# Altium PCB rv_pwr_es.PcbDoc (continued)
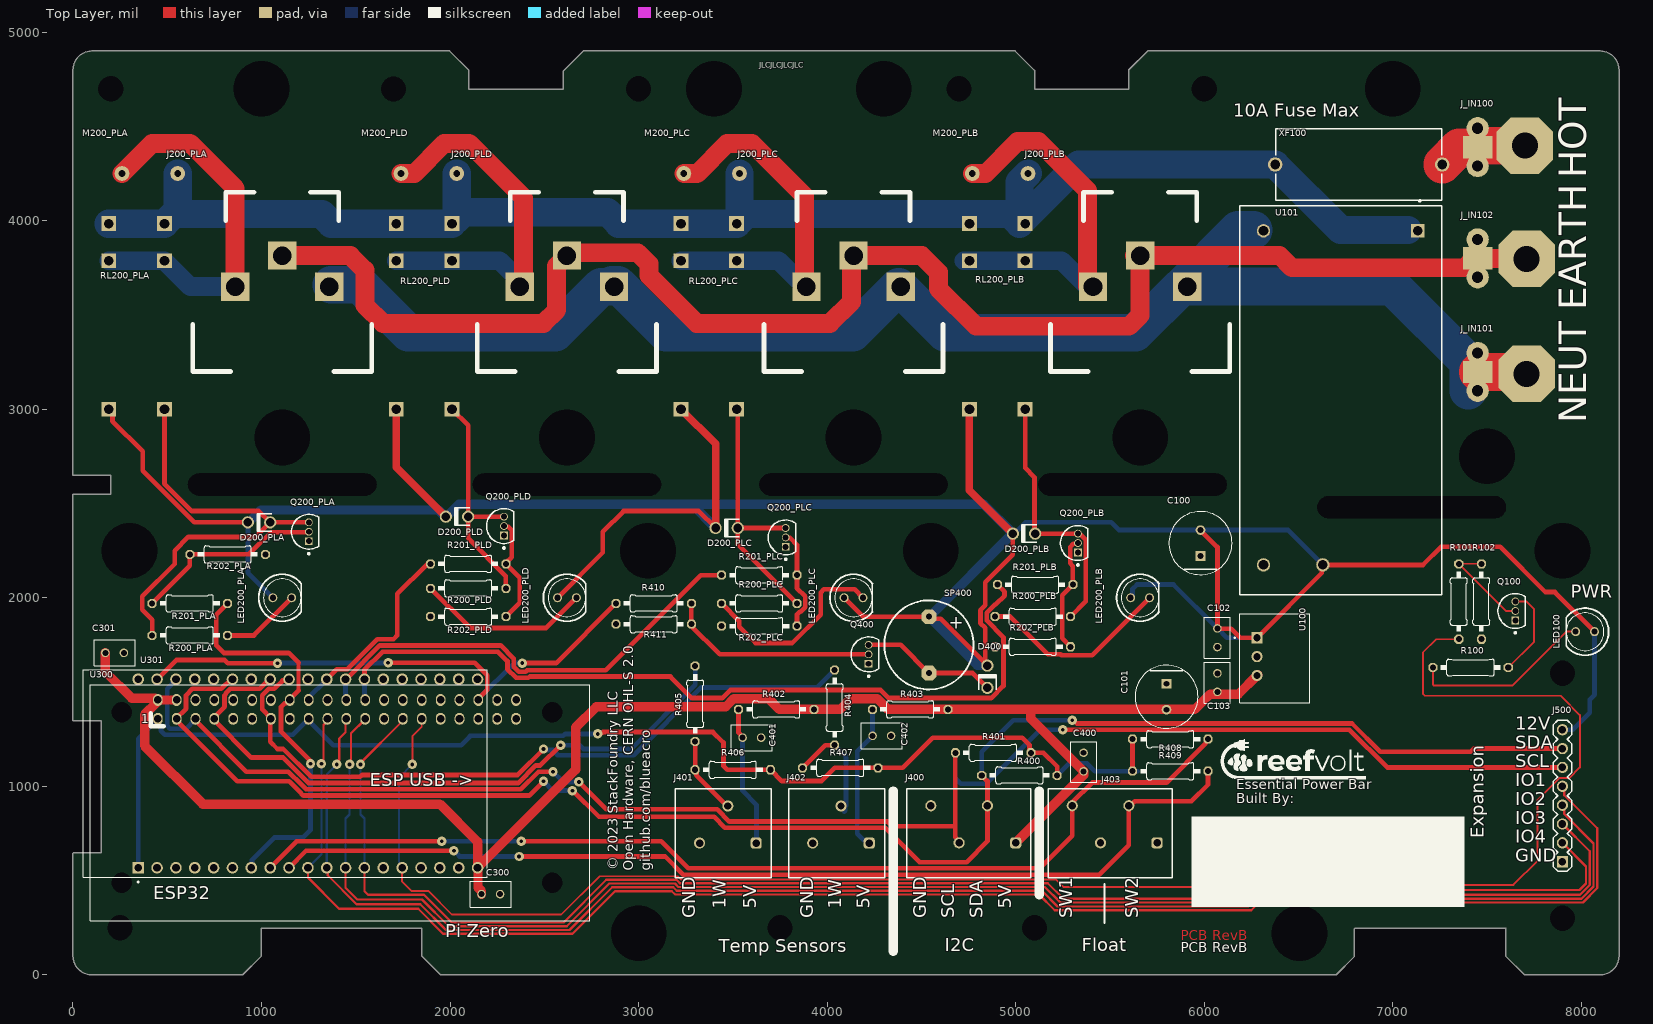
[diagram p0: Top Layer view]
## Footprints (in the part's own frame and the unit in brackets; to place one, negate y for a bottom-side part, rotate by r counter-clockwise, add the part's x,y. Pads: shape width x height; smd on the part's side, far side on the other; paste and mask are expansions set on the pad) (continued)
RPI_ZERO_W [mm]
  oval 1.3x1.6 hole 1.016 paste-0.3 mask+0: 1(-53.14,22.09) 2(-53.14,24.63) 3(-50.6,22.09) 4(-50.6,24.63) 5(-48.06,22.09) 6(-48.06,24.63) 7(-45.52,22.09) 8(-45.52,24.63) 9(-42.98,22.09) 10(-42.98,24.63) 11(-40.44,22.09) 12(-40.44,24.63) 13(-37.9,22.09) 14(-37.9,24.63) 15(-35.36,22.09) 16(-35.36,24.63) 17(-32.82,22.09) 18(-32.82,24.63) 19(-30.28,22.09) 20(-30.28,24.63) 21(-27.74,22.09) 22(-27.74,24.63) 23(-25.2,22.09) 24(-25.2,24.63) 25(-22.66,22.09) 26(-22.66,24.63) 27(-20.12,22.09) 28(-20.12,24.63) 29(-17.58,22.09) 30(-17.58,24.63) 31(-15.04,22.09) 32(-15.04,24.63) 33(-12.5,22.09) 34(-12.5,24.63) 35(-9.96,22.09) 36(-9.96,24.63) 37(-7.42,22.09) 38(-7.42,24.63) 39(-4.88,22.09) 40(-4.88,24.63)
  rect 0x0 hole 2.75 unplated paste-0.3 mask+0: ""(-58,0) ""(-58,23) ""(0,0) ""(0,23)
  silkscreen extent -62.23,-5.08 5.08,26.67, body extent -61.42,-4.89 4.48,26.36, height 16.81
WST-1212UX-Footprint-1 [mm]
  oct 2x2 hole 0.8: +(0,3.8) -(0,-3.8)
  silkscreen extent -6,-6 6,6, body extent -5.98,-6 6,6, height 7.51

## Part data
C100 C101: library part CMP-001-00110-1, "Cap Aluminum 100uF 25V 20% (8 X 11.5mm) Radial 3.5mm 500mA 2000 hr 125°C Bulk", Case/Package=Radial, Dielectric Material=Aluminium, Diameter=8mm
C102 C103 C300 C301 C400 C401 C402: library part CMP-233-000000-3, "FG Series 10 uF 25 V ±10% Tolerance X7R Radial Multilayer Ceramic Capacitor", Case/Package=Radial, Package="Radial TDK", Check_prices=https://www.snapeda.com/parts/FG16X7R1E106KRT06/TDK/view-part/?ref=eda, Component Type=Standard, Design Item ID=FG16X7R1E106KRT06, Digi-Key_Part_Number=445-173156-1-ND, Height - Seated (Max)=0.236inch, Lead Pitch=0.098inch, MF=TDK, MP=FG16X7R1E106KRT06, Pin Count=2, Purchase-URL=https://pricing.snapeda.com/search/part/FG16X7R1E106KRT06/?ref=eda, SnapEDA_Link=https://www.snapeda.com/parts/FG16X7R1E106KRT06/TDK/view-part/?ref=snap, Source=FG16X7R1E106KRT06.SchLib
D200_PLA D200_PLB D200_PLC D200_PLD D400: library part CMP-004-00038-1, "VR=1000V IF=1A 8pF"
J400 J403: library part CMP-002-00091-1, "Tb, Wire To Brd, 4Way, 16Awg Rohs Compliant: Yes", Color=Grey, Current=4A, Contact Plating=Bronze,Tin, Housing Material=Nylon
J401 J402: library part CMP-002-00090-1, "Tb, Wire To Brd, 3Way, 16Awg Rohs Compliant: Yes", Color=Grey, Current=4A, Contact Plating=Bronze,Tin, Housing Material=Nylon
J500: library part CMP-166-0002-1, Design Item ID=M08, Source=con-headers.SCHLIB
J_IN100 J_IN101 J_IN102: "Molex  0197054203", Design Item ID=TAB_QUICKCON, Source=con-molex.SCHLIB
LED100 LED200_PLA LED200_PLB LED200_PLC LED200_PLD: library part LED5MM
M200_PLA M200_PLB M200_PLC M200_PLD: library part CMP-107-0002-1, Design Item ID=GMOV, Source=rcl.SCHLIB
Q100 Q200_PLA Q200_PLB Q200_PLC Q200_PLD Q400: library part CMP-013-00039-2, "Transistor NPN Silicon 40V IC=600ma TO-92 Case General Purpose Amplifier And Switch", Case/Package=TO-92, Collector Base Voltage (VCBO)=60V, Collector Emitter Saturation Voltage=750mV, Collector-emitter Voltage-Max=40V, Package="TO-226-3 Rectron", Availability="In Stock", Component Type=Standard, Design Item ID=2N4401, MF=Rectron, MP=2N4401, Pin Count=3, Price=None, Purchase-URL=https://pricing.snapeda.com/search/part/2N3904/?ref=eda, SnapEDA_Link=https://www.snapeda.com/parts/2N3904/Rectron/view-part/?ref=snap
R100 R200_PLA R200_PLB R200_PLC R200_PLD: library part CMP-009-00215-2, "Res Carbon Film 1K Ohm 5% 1/4W -500ppm/°C to 350ppm/°C Conformal AXL Thru-Hole Paper T/R", Case/Package=Conformal, Construction=Cylindrical, Contact Plating=Tin,Matte, Diameter=2.4mm
R101 R201_PLA R201_PLB R201_PLC R201_PLD R410: library part CMP-009-00217-1, "Res Carbon Film 470 Ohm 5% 1/4W -500ppm/°C to 350ppm/°C Conformal AXL Thru-Hole Paper T/R", Case/Package=Conformal, Construction=Cylindrical, Contact Plating=Tin,Matte, Diameter=2.4mm
R102 R202_PLA R202_PLB R202_PLC R202_PLD R411: library part CMP-009-00220-1, "Res Carbon Film 47K Ohm 5% 1/4W -500ppm/°C to 350ppm/°C Conformal AXL Thru-Hole Paper T/R", Case/Package=Axial, Contact Plating=Tin,Matte, Diameter=2.4mm, Lead Diameter=0.55mm
R400 R401 R406 R407 R408 R409: library part CMP-009-00218-1, "Res Carbon Film 4.7K Ohm 5% 1/4W -500ppm/°C to 350ppm/°C Conformal AXL Thru-Hole Paper T/R", Case/Package=Axial, Contact Plating=Tin,Matte, Diameter=2.4mm, Lead Diameter=0.55mm
R402 R403 R404 R405: library part CMP-009-00219-1, "Res Carbon Film 10 Ohm 5% 1/4W -500ppm/°C to 350ppm/°C Conformal AXL Thru-Hole Paper T/R", Case/Package=Axial, Construction=Cylindrical, Contact Plating=Tin,Matte, Diameter=2.4mm, Lead Diameter=0.55mm
RL200_PLA RL200_PLB RL200_PLC RL200_PLD: library part CMP-103-0002-1, Design Item ID=RelaySPST_DT, Source=relay.SchLib
SP400: library part CMP-00027-00003-3, "Audio Magnetic Xdcr 9-15V Th", Frequency=2.3kHz, Max Operating Temperature=60°C, Min Operating Temperature=-20°C, Mounting Technology="Through Hole"
U100: library part CMP-214-000001-1, "Module DC-DC 24VIN 1-OUT 5V 2A 10W 3-Pin SIP Module Tube", Max Operating Temperature=85°C, Max Output current=2A, Max Supply Voltage=36V, Efficiency=90%
U101: library part CMP-2000-07460-1, "Single Output Encapsulated Type, 12 V, 1.8 A, 21.6 W, -40 to 85 degC, 4-Pin THD, RoHS", Current - Output 1=1.8A, Manufacturer="Mean Well", Max Operating Temperature=70degC, Max Output Power=21.6W, Min Operating Temperature=-30degC, Package Description="4-Pin Through Hole Device, Body 52.4 x 27.2 mm, Height 24 mm", Package Quantity=240, Package Reference=IRM-20-12-4, Voltage - Output 1=12V, Approvals=CB, Datasheet URL=http://datasheet.octopart.com/IRM-20-12-Mean-Well-datasheet-42021592.pdf, Datasheet Version=06/2015, Efficiency=84%, Height=24mm, Lead Free=LeadFree, Length=53mm, Manufacturer URL=http://www.meanwellusa.com/, Mount=ThroughHole, Mounting Technology=ThroughHole, Number of Outputs=1, Number of Pins=4, Output Current=1.8A, Output Power=21.6W, Packaging=Bulk, RoHSCompliant=true, Weight=2.081164oz, Width=28mm
U300: library part CMP-239-000000-1, Component Type=Standard, Design Item ID="RPI Zero", Pin Count=40, Source=pi.SchLib
U301: library part CMP-237-000000-4, "WiFi Development Tools (802.11) ESP32 General Development Kit, ESP32-WROOM-32D on the board", Package=None, Availability="Not in stock", Check_prices=https://www.snapeda.com/parts/ESP32-DEVKITC-32D/Espressif+Systems/view-part/?ref=eda, Component Type=Standard, Design Item ID=ESP32-DEVKITC-32D, MF="Espressif Systems", MP=ESP32-DEVKITC-32D, Pin Count=38, Price=None, SnapEDA_Link=https://www.snapeda.com/parts/ESP32-DEVKITC-32D/Espressif+Systems/view-part/?ref=snap, Source=ESP32-DEVKITC-32D.SchLib
XF100: library part CMP-005-00015-1, "WR-FSH Fuse Holder Blocks Fuse Holder Blocks Clip Cover for PCB - THR Version"
J200_PLA J200_PLB J200_PLC J200_PLD: Design Item ID=3-213598-2, Source=con-tyco.SCHLIB

## Free pads (board coordinates)
  oct 300x300 hole 137.8: MNT+7(7700,4397.8) MNT+7(7710,3187.8) MNT+7(7710,3797.8)
  oct 0x0 hole 118.11 slot 1000 at 0 deg unplated: MNT+9(1110,2600) MNT+10(2620,2600) MNT+11(4140,2600) MNT+11(5620,2600) MNT+11(7100,2480)
  oct 0x0 hole 295.28 unplated: MNT+13(1110,2850) MNT+14(300,2250) MNT+14(1000,4700) MNT+14(2620,2850) MNT+14(3000,220) MNT+14(3050,2250) MNT+14(3400,4700) MNT+14(4300,4700) MNT+14(4550,2250) MNT+14(6505.59,220) MNT+14(7000,4700) MNT+14(7500,2750) MNT+14(7900,2250) MNT+15(4140,2850) MNT+15(5660,2850)
  oct 0x0 hole 133.86 unplated: MNT+16(7900,300) MNT+19(200,4700) MNT+20(3000,4700) MNT+21(1700,4697.8) MNT+22(4700,4700) MNT+23(6000,4700) MNT+24(5100,250) MNT+25(250,250) MNT+25(3750,250) MNT+26(7900,1600)

## Via types
v1: diameter 50, hole 19.68, Top Layer to Bottom Layer, 22 vias

## Nets (pads, with @x,y where several pads share a name; then routed paths per layer and width w, separated by ;. In a path a pad name is that pad's centre, name@x,y a point inside that pad or via, vN(x,y) a via of type N, cw(c..) or ccw(c..) an arc to the next point about the centre after c; other vN are vias at no path point)
1W1: R405.2 U300.7 U301.J3-8 | length 3449.5
  Top Layer w25: U301.J3-8 1042.24,1567.8 991.03,1516.59 833.7,1516.59 810,1492.88 810,1488.88 803.91,1482.79 803.91,1421.61 746,1363.7 746,1357.8 746,1351.89 945.6,1152.3 1114.49,1152.3 1249.78,1017 2361.62,1017 2455.41,1110.8 2479,1110.8 v1(2586,1217.8)
  Bottom Layer w25: v1@2596,1217.8 2688.06,1217.8 2708.06,1197.8 2960,1197.8 3300,1537.8 R405.2
1W2: R404.2 U300.13 U301.J3-9 | length 3774.6
  Top Layer w25: U300.13@1046,1357.8 1046,1236.57 1084.77,1197.8 1115.66,1197.8 1263.45,1050 1523.35,1050 1533.35,1060 2357.95,1060 v1(2495.74,1197.8) ; U300.13 1050,1361.44 1003.91,1407.53 1003.91,1482.79 1037.7,1516.59 1067.21,1516.59 1111.45,1560.83 1139.03,1560.83 U301.J3-9
  Bottom Layer w25: v1(2495.74,1197.8) 2500.53,1193.01 2546.44,1193.01 2567.15,1172.3 ; 2567.15,1167.8 2570.15,1164.8 2973.67,1164.8 3333,1524.13 3946.33,1524.13 R404.2
3V3: R400.2 R401.2 R406.1 R407.1 R408.2 R409.2 U300.1 U300.17 U301.J2-1 | length 6828.8
  Top Layer w25: v1(2783.07,1277.8) 2787.86,1282.58 2805,1282.58 2810.22,1287.8 3394.5,1287.8 3450,1232.3 3450,1107.8 3470,1087.8 R406.1 3760,1027.8 3970,1027.8 4040,1097.8 R407.1 4400,1097.8 4560,1257.8 5035.36,1257.8 5073.18,1219.97 5073.18,1184.62 R401.2 5147.2,1177.8 5220,1105 R400.2 ; R409.2 R408.2
  Bottom Layer w25: U301.J2-1 346,1251.89 U300.1@446,1351.89 ; U300.1@446,1357.8 U300.1@446,1351.89 ; U300.17@1246,1357.8 U300.17@1246,1351.89 ; 2103.82,1263.3 2058.32,1217.8 1380.1,1217.8 U300.17@1246,1351.89 ; 2105.45,1267.8 2600.35,1267.8 2610.35,1277.8 v1(2783.07,1277.8) ; R400.2 5284.71,1122.51 5377.87,1122.51 5420.38,1080 5647.67,1080 ; U300.1@446,1351.89 446,1344.81 466.63,1324.18 466.63,1294.13 487.96,1272.8 1166.91,1272.8 U300.17@1246,1351.89
5V: C101.2 C103.2 C300.2 C301.2 C400.2 J400.1 R402.2 R403.2 U100.3 U300.2 U300.4 U301.J2-19 | length 8817.1
  Top Layer w50: C301.2 171.57,1607.85 311.63,1467.8 436,1467.8 439.87,1463.93 445.46,1463.93 446,1463.38 U300.2@446,1457.8 ; U300.4@546,1457.8 U300.2 U300.2@446,1457.8 ; C300.2 2166.79,443.92 2148.19,462.52 2148.19,565.61 U301.J2-19 ; R403.2 4322.67,1407.8 4265.67,1464.8 4126.34,1464.8 4069.34,1407.8 R402.2 3745.67,1407.8 3688.67,1464.8 3504.33,1464.8 3461.83,1422.3 2776,1422.3 2666,1312.3 2666,1087.8 U301.J2-19 ; R403.2@4650,1407.8 5080,1407.8 ; J400.1@5004.53,704.53 5360,1060 C400.2 5080,1359.37 5080,1407.8 ; U100.3@6283.06,1590.86 U100.3 6180.79,1488.58 6030.79,1488.58 5950,1407.8 5324.23,1407.8 5324.02,1408 5275.98,1408 5275.77,1407.8 5080,1407.8 ; U300.2@446,1457.8 446,1451.57 445.41,1450.98 445.41,1445.97 380,1380.56 380,1214.5 689,905.5 1946.11,905.5 2146,705.61 U301.J2-19
12V: C100.2 C102.2 D200_PLA.2 D200_PLB.2 D200_PLC.2 D200_PLD.2 D400.2 J500.8 LED100.A LED200_PLA.A LED200_PLB.A LED200_PLC.A LED200_PLD.A RL200_PLA.1 RL200_PLB.1 RL200_PLC.1 RL200_PLD.1 SP400.+ U100.1 U101.4 | length 18095.8
  Top Layer w25: RL200_PLA.1 209.37,2980.63 209.37,2936.57 370,2775.94 370,2673.33 643.33,2400 D200_PLA.2 ; LED200_PLD.A 2810,2240 2810,2350 2920,2460 3318.14,2460 D200_PLC.2 ; LED200_PLC.A 4190.39,1899.61 SP400.+ 4551.4,1888.21 4601.79,1888.21 D400.2@4835.36,1654.64 ; D400.2 4850,1646.75 4838.74,1658.02 4838.74,1840.34 4813.24,1865.84 4813.24,1934.16 4838.74,1959.66 4838.74,2081.1 4985.12,2227.49 D200_PLB.2 ; C100.2 6070,2268.9 C102.2 6071.01,1836 6142.11,1836 6190.31,1787.8 U100.1 6623.47,2131.26 6623.47,2168.27 U101.4 7160.31,2174.17 7256.14,2270 7570,2270 7810,2030 7860,2030 LED100.A
  Top Layer w40: RL200_PLD.1 1714.72,2693.17 D200_PLD.2 ; RL200_PLC.1 3408.14,2816.58 D200_PLC.2 ; RL200_PLB.1 4754.72,2570.4 D200_PLB.2
  Bottom Layer w25: D200_PLA.2 927.89,2132.11 LED200_PLA.A ; D200_PLB.2 4991.88,2340 5052.36,2400.48 5506.79,2400.48 5548.37,2358.9 C100.2 6444.65,2358.9 U101.4 ; LED200_PLB.A 5610,2002.16 5620,2012.16 5620,2046.57 5643.43,2070 5837.01,2070 C102.2 6071.43,1837.01 6120.64,1787.8 U100.1 ; J500.8 7954.36,1300 8044.39,1390.03 8044.39,1460 8070,1485.61 LED100.A
  Bottom Layer w50: D200_PLA.2 931.94,2400 997.42,2465.48 1938.36,2465.48 1973.84,2430 D200_PLD.2 1981.94,2430 2047.42,2495.48 3282.66,2495.48 ; D200_PLC.2 3282.66,2495.48 ; D400.2 4847.14,1642.86 4796.74,1642.86 SP400.+ 4542.37,1899.61 4982.76,2340 D200_PLB.2 4829.64,2495.48 3282.66,2495.48
EARTH: J200_PLA.3 J200_PLB.3 J200_PLC.3 J200_PLD.3 J_IN102.1 J_IN102.2 J_IN102.3 pad.MNT+7@7710,3797.8 | length 8258.6
  Top Layer w100: J200_PLA.3 1471.39,3815 1548.52,3737.87 1548.52,3551.48 1645,3455 2494.71,3455 2565,3525.29 2565,3760 2635,3830 2995.79,3830 3054.37,3771.42 3054.37,3709.31 3308.68,3455 4015,3455 4130,3570 J200_PLC.3@4130,3814.37 ; J200_PLC.3@4130.63,3814.37 4502.02,3814.37 4590,3726.39 4590,3640 4790,3440 5601.42,3440 5660,3498.58 J200_PLB.3 ; J200_PLB.3@5630.63,3815.17 6399.77,3815.17 6464.94,3750 7380.31,3750 7430.31,3800 7431.42,3798.9 7708.9,3798.9 pad.MNT+7@7710,3797.8
GND: C100.1 C101.1 C102.1 C103.1 C300.1 C301.1 C400.1 C401.1 C402.1 J400.4 J401.3 J402.3 J403.1 J403.3 J500.1 Q100.1 Q200_PLA.1 Q200_PLB.1 Q200_PLC.1 Q200_PLD.1 Q400.1 R102.1 R202_PLA.1 R202_PLB.1 R202_PLC.1 R202_PLD.1 R411.1 U100.2 U101.3 U300.6 U300.9 U300.14 U300.20 U300.25 U300.30 U300.34 U300.39 U301.J2-14 U301.J3-1 U301.J3-7
HOT: M200_PLA.1 M200_PLB.1 M200_PLC.1 M200_PLD.1 RL200_PLA.4 RL200_PLA.5 RL200_PLB.4 RL200_PLB.5 RL200_PLC.4 RL200_PLC.5 RL200_PLD.4 RL200_PLD.5 U101.1 XF100.2 | length 8296.8
  Bottom Layer w150: RL200_PLA.4 RL200_PLA.5 536.02,4035 ; M200_PLA.1 555.28,4054.25 536.02,4035 ; M200_PLD.1 RL200_PLD.5@2035.28,4009.53 ; M200_PLC.1 RL200_PLC.5@3535.28,3999.53 ; M200_PLB.1 5020,4204.72 RL200_PLB.5@5020,3984.25 ; 7080,3950 6723.86,3950 XF100.2 5333.54,4297.8 RL200_PLB.5@5020,3984.25 ; 536.02,4035 1319.46,4035 1370.21,3984.25 RL200_PLD.4 RL200_PLD.5 RL200_PLD.5@2035.28,4009.53 ; RL200_PLD.5@2035.28,4009.53 2070.75,4045 2834.46,4045 2895.21,3984.25 RL200_PLC.4 RL200_PLC.5 RL200_PLC.5@3535.28,3999.53 ; RL200_PLC.5@3535.28,3999.53 3570.75,4035 4969.25,4035 RL200_PLB.5@5020,3984.25
HOTIN: J_IN100.1 J_IN100.2 J_IN100.3 pad.MNT+7@7700,4397.8 XF100.1 | length 952.6
  Top Layer w200: XF100.1 7354.1,4390 J_IN100.3@7450,4390 ; J_IN100.3@7450,4397.8 pad.MNT+7@7700,4397.8
  Bottom Layer w200: XF100.1 7354.1,4390 J_IN100.3@7450,4390 ; J_IN100.3@7450,4397.8 pad.MNT+7@7700,4397.8
IO1: J500.5 U300.19 U301.J2-10 | length 8646.3
  Top Layer w12: U301.J2-10 1246,515.64 1411.64,350 1831,350 1962.97,218.03 2649.1,218.03 2874.99,443.92 3176.09,443.92 3194.09,425.92 5124.08,425.92 5206.97,343.03 6249.1,343.03 6290.16,384.09 8009.09,384.09 8085,460 8085,777.23 7909.18,953.04 7909.18,990.82 J500.5 ; v1(1317.72,1119) 1317.72,1129.28 1328.91,1140.48 1328.91,1325.27 1346,1342.36 U300.19@1346,1357.8
  Bottom Layer w12: U301.J2-10 1317.72,639.51 v1(1317.72,1119)
IO2: J500.4 U300.21 U301.J2-11 | length 8386.4
  Top Layer w12: U301.J2-11 1351.04,562.75 1351.04,527.96 1504,375 1841.36,375 1978.32,238.03 2633.74,238.03 2859.63,463.92 3184.38,463.92 3202.38,445.92 5139.44,445.92 5222.32,363.03 6233.74,363.03 6274.8,404.09 8000.81,404.09 8065,468.28 8065,697.23 7909.18,853.04 7909.18,890.82 J500.4 ; v1(1399,1116) 1399,1126.28 1411.64,1138.92 1411.64,1251.72 1446,1286.08 U300.21@1446,1357.8
  Bottom Layer w12: U301.J2-11 1346,1063 v1(1399,1116)
IO3: J500.3 U300.23 U301.J2-12 | length 8178.7
  Top Layer w12: U301.J2-12 1446,461.28 1507.28,400 1851.71,400 1993.68,258.03 2618.39,258.03 2844.27,483.92 3192.66,483.92 3210.66,465.92 5154.79,465.92 5237.68,383.03 6218.39,383.03 6259.45,424.09 7992.52,424.09 8045,476.57 8045,655 J500.3 ; v1(1467,1116) 1474.27,1123.27 1474.27,1141.3 1475,1142.03 1475,1280.89 1546,1351.89 U300.23@1546,1357.8
  Bottom Layer w12: U301.J2-12 1446,829.31 1467,850.31 v1(1467,1116)
IO4: J500.2 U300.27 U301.J2-13 | length 7998
  Top Layer w12: v1(1525,1116) 1525,1123.44 1746,1344.45 U300.27@1746,1357.8 ; U301.J2-13 1546,443.92 1564.92,425 1862.07,425 2009.03,278.03 2603.03,278.03 2828.92,503.92 3200.95,503.92 3218.95,485.92 5170.15,485.92 5253.03,403.03 6203.03,403.03 6250,450 7990.15,450 8025,484.85 8025,575 J500.2
  Bottom Layer w12: v1(1525,1116) 1525,850.31 1546,829.31 U301.J2-13
LED: R101.1 U300.29 U301.J2-15 | length 9394.3
  Top Layer w10: U301.J2-15 1746,494 1796,444 1886,444 2010,320 2590,320 2792.92,522.92 3208.82,522.92 3226.82,504.92 5214.03,504.92 5253.03,465.92 6239.05,465.92 6249.7,476.57 7640,476.57 7768.09,604.66 7768.09,928.91 7882.19,1043 7935.52,1043 7992.52,1100 7992.52,1377.48 7890,1480 7170,1480 7160.31,1489.69 7160.31,1710.31 7230,1780 R101.1 ; v1(1800,1116) 1800,1266.08 1850,1316.08 U300.29
  Bottom Layer w10: U301.J2-15 1746,581.71 1730,597.71 1730,1046 v1(1800,1116)
NetC401_2: C401.2 J401.1 R402.1 | length 753.2
  Top Layer w25: R402.1 3530,1284.86 3551.58,1263.28 C401.2
  Bottom Layer w25: C401.2 3551.58,976.11 3625,902.69 J401.1@3625,693.96
NetC402_2: C402.2 J402.1 R403.1 | length 777.5
  Bottom Layer w25: J402.1 4207.8,714.45 4193.35,714.45 4160,747.8 4160,1187.01 C402.2 4240.39,1268.19 4240.39,1407.4 R403.1
NetD200_PLA_1: D200_PLA.1 Q200_PLA.3 R200_PLA.1 RL200_PLA.8 | length 2356.6
  Top Layer w25: R200_PLA.1 420,1884 368,1936 368,2007 540,2179 540,2250 612.61,2322.61 968.61,2322.61 D200_PLA.1 ; RL200_PLA.8 485.28,2604.72 630,2460 986,2460 D200_PLA.1 ; Q200_PLA.3 D200_PLA.1
NetD200_PLB_1: D200_PLB.1 Q200_PLB.3 R200_PLB.1 RL200_PLB.8 | length 1404
  Top Layer w25: RL200_PLB.8 5050,2688.59 5099.5,2639.09 5099.5,2343.74 D200_PLB.1 Q200_PLB.3 5333.13,2336.87 5341.35,2336.87 5371.17,2307.05 5371.17,1980.43 R200_PLB.1
NetD200_PLC_1: D200_PLC.1 Q200_PLC.3 R200_PLC.1 RL200_PLC.8 | length 1416.3
  Top Layer w25: RL200_PLC.8 3526.25,2993.75 D200_PLC.1 ; Q200_PLC.3 D200_PLC.1 ; R200_PLC.1 3526.25,2283.75 D200_PLC.1
NetD200_PLD_1: D200_PLD.1 Q200_PLD.3 R200_PLD.1 RL200_PLD.8 | length 1258.5
  Top Layer w25: RL200_PLD.8 2096,2914 D200_PLD.1 ; Q200_PLD.3 D200_PLD.1 ; R200_PLD.1 2296,2115.01 2096,2315.01 D200_PLD.1
NetD400_1: D400.1 Q400.3 SP400.- | length 724.5
  Top Layer w25: Q400.3 4390.39,1750 SP400.- 4771.5,1600.39 D400.1
NetJ200_PLA_2: J200_PLA.2 M200_PLA.2 RL200_PLA.3 RL200_PLA.6 | length 2012.5
  Top Layer w100: M200_PLA.2 419.37,4409.37 621.29,4409.37 860,4170.66 J200_PLA.2
  Bottom Layer w100: RL200_PLA.3 RL200_PLA.6 622.68,3650 J200_PLA.2
NetJ200_PLB_2: J200_PLB.2 M200_PLB.2 RL200_PLB.3 RL200_PLB.6 | length 2009.6
  Top Layer w100: M200_PLB.2 4839.89,4250 5009.89,4420 5120.66,4420 5380,4160.66 J200_PLB.2@5380,3650.8
  Bottom Layer w100: RL200_PLB.3@4724.72,3787.4 5020,3787.4 5243.39,3787.4 J200_PLB.2@5380,3650.8
NetJ200_PLC_2: J200_PLC.2 M200_PLC.2 RL200_PLC.3 RL200_PLC.6 | length 2014.3
  Top Layer w100: M200_PLC.2 3309.89,4250 3469.26,4409.37 3601.29,4409.37 3880,4130.66 J200_PLC.2@3880,3650
  Bottom Layer w100: RL200_PLC.3 RL200_PLC.6 3742.6,3787.4 J200_PLC.2@3880,3650
NetJ200_PLD_2: J200_PLD.2 M200_PLD.2 RL200_PLD.3 RL200_PLD.6 | length 2024.3
  Top Layer w100: M200_PLD.2 1809.89,4250 1969.26,4409.37 2101.29,4409.37 2390,4120.66 J200_PLD.2@2390,3660
  Bottom Layer w100: RL200_PLD.3 RL200_PLD.6 2262.6,3787.4 J200_PLD.2@2390,3660
NetJ401_2: J401.2 R405.1 R406.2 | length 415.3
  Top Layer w25: R405.1 R406.2 3306.82,1080.97 3306.82,1057.82 J401.2@3471.2,893.45
NetJ402_2: J402.2 R404.1 R407.2 | length 601.8
  Top Layer w25: R407.2 3990,1217.8 R404.1
  Bottom Layer w25: R404.1 4100,1157.8 4100,896.32 4096.52,892.84 4096.52,871.16 4090,864.65
NetLED100_K: LED100.K R100.2 | length 982.9
  Top Layer w10: R100.2 7212.34,1540.11 7218.2,1534.25 7634.25,1534.25 7920,1820 LED100.K
  Bottom Layer w25: LED100.K@7966.3,1820 7967.84,1820 7971.53,1823.7 LED100.K@7971.53,1831.53
NetLED200_PLA_K: LED200_PLA.K R200_PLA.2 | length 422.8
  Top Layer w25: R200_PLA.2 960,1800 LED200_PLA.K
NetLED200_PLB_K: LED200_PLB.K R200_PLB.2 | length 1030.1
  Top Layer w25: R200_PLB.2 4970,1900 5170,1700 5238.36,1700 5242.86,1695.5 5405.5,1695.5 LED200_PLB.K
NetLED200_PLC_K: LED200_PLC.K R200_PLC.2 | length 1058.9
  Top Layer w25: R200_PLC.2 3533.41,1876.59 3533.41,1846.59 3620,1760 3814.99,1760 3966.03,1911.04 3966.03,2027.28 3983.25,2044.5 4145.5,2044.5 LED200_PLC.K
NetLED200_PLD_K: LED200_PLD.K R200_PLD.2 | length 927.3
  Top Layer w25: R200_PLD.2 2106,1840 2510,1840 LED200_PLD.K
NetQ100_2: Q100.2 R101.2 R102.2 | length 523.6
  Top Layer w10: R102.2 R101.2 7600,1930 Q100.2
NetQ100_3: Q100.3 R100.1 | length 483.6
  Top Layer w10: R100.1 7750,1767.66 7750,1940 7710,1980 Q100.3
NetQ200_PLA_2: Q200_PLA.2 R201_PLA.2 R202_PLA.2 | length 1023.5
  Top Layer w25: R201_PLA.2 620,2170 R202_PLA.2 933.28,2230 1050.3,2347.02 1247.95,2347.02 Q200_PLA.2
NetQ200_PLB_2: Q200_PLB.2 R201_PLB.2 R202_PLB.2 | length 627
  Top Layer w25: R202_PLB.2 5246.24,1784.5 5246.24,2013 R201_PLB.2 5303.24,2168.13 5288.83,2182.53 5288.83,2269.16 5306.54,2286.87 5326.87,2286.87 Q200_PLB.2
NetQ200_PLC_2: Q200_PLC.2 R201_PLC.2 R202_PLC.2 | length 547.1
  Top Layer w25: Q200_PLC.2 3783.13,2316.87 3803.46,2316.87 3840,2280.33 R201_PLC.2 3840,2051.25 3884.5,2006.75 3884.5,1949.51 3860.49,1925.5 3854.64,1925.5 3840,1910.86 R202_PLC.2
NetQ200_PLD_2: Q200_PLD.2 R201_PLD.2 R202_PLD.2 | length 583.2
  Top Layer w25: Q200_PLD.2 2289.13,2376.87 2309.46,2376.87 2327.17,2359.16 2327.17,2215.85 2296,2184.68 R201_PLD.2 2370,2106 2370,1974 R202_PLD.2
NetQ400_2: Q400.2 R410.2 R411.2 | length 1119.2
  Top Layer w25: R411.2@3275,1855 3430,1700 Q400.2 ; R411.2 R410.2
NEUT: J200_PLA.1 J200_PLB.1 J200_PLC.1 J200_PLD.1 J_IN101.1 J_IN101.2 J_IN101.3 pad.MNT+7@7710,3187.8 U101.2 | length 7688.4
  Top Layer w200: J_IN101.3@7450,3197.8 7700,3197.8 pad.MNT+7@7710,3187.8
  Bottom Layer w200: J200_PLA.1@1370,3660 1522.97,3660 1777.97,3405 2557.1,3405 2802.1,3650 2850,3650 J200_PLD.1@2860,3660 ; J200_PLD.1@2890,3660 3145,3405 4135,3405 4380,3650 4625,3405 5634.2,3405 5880,3650.8 6999.2,3650.8 7400,3250 J_IN101.1@7400,3097.8 ; J200_PLB.1@5894.6,3665.4 6179.2,3950 6261.1,3950
RLY1: R201_PLA.1 U300.16 U301.J2-7 | length 2147.1
  Top Layer w20: 1196.4,1508.2 1196.4,1655.18
  Top Layer w25: R201_PLA.1 760,1910 760,1747 799.68,1707.32 1144.26,1707.32 1196.4,1655.18 ; 1196.4,1508.2 1146,1457.8 1146,1454.98 1131.33,1440.31 1122.36,1440.31 1103.91,1421.85 1103.91,1288.82 1262.58,1130.15 1262.58,1121.87 v1(1259.72,1119)
  Bottom Layer w25: U301.J2-7 950.13,571.92 950.13,610.13 1068.06,728.06 1220,728.06 1259.72,767.78 v1(1259.72,1119) ; U300.16@1146,1457.8 U300.16@1146,1465.75
RLY2: R201_PLB.1 U300.24 U301.J3-13 | length 4426.3
  Top Layer w25: U301.J3-13 1546,1617.94 1642.06,1714 2254.22,1714 2304.23,1664 2304.23,1621.06 2350.21,1575.08 2415.24,1575.08 2422.16,1582 3168.85,1582 3283.05,1467.8 3442.99,1467.8 3485.49,1510.3 4284.52,1510.3 4327.02,1467.8 4870.83,1467.8 4935.24,1532.2 4935.24,1790.51 4846.24,1879.51 4846.24,1920.49 4891.76,1966.01 4895.47,1966.01 4940.99,2011.53 4940.99,2032.24 R201_PLB.1
  Bottom Layer w25: U300.24@1546,1457.8 U301.J3-13 U301.J3-13@1553.52,1575.32
RLY3: R201_PLC.1 U300.22 U301.J3-12 | length 2473
  Top Layer w25: U301.J3-12 1449.19,1567.8 1628.39,1747 2267.89,1747 2337.23,1677.67 2337.23,1634.73 2363.88,1608.08 2401.57,1608.08 2408.49,1615 2825,1615 3330,2120 R201_PLC.1
  Bottom Layer w25: U300.22@1446,1457.8 U301.J3-12
RLY4: R201_PLD.1 U300.18 U301.J3-11 | length 1083.9
  Top Layer w25: U301.J3-11 1399,1620.8 1455.52,1620.8 1614.72,1780 1700,1780 1720,1800 1720,2020 1873.18,2173.18 1889.18,2173.18 R201_PLD.1
  Bottom Layer w25: U300.18@1246,1457.8 1246,1465.75 1346,1565.75 U301.J3-11
SCL: J400.3 J500.6 R401.1 U300.5 U301.J3-3 | length 8844
  Top Layer w25: U300.5@646,1351.89 920.1,1077.8 1142.32,1077.8 1212.61,1007.5 1236.11,984 2375.28,984 2469.08,1077.8 v1(2546,1077.8) ; v1(2683.52,1023.29) 2829.02,877.8 3416.1,877.8 3480.9,813 4321.47,813 4346.67,787.8 4679.21,787.8 ; R401.1 4680,729.21 4700,709.22 J400.3 ; v1(5250,1300) 6770,1300 6970,1100 J500.6
  Bottom Layer w25: U301.J3-3 546,1564.07 499.63,1517.7 499.63,1320.44 514.28,1305.8 599.91,1305.8 646,1351.89 U300.5@646,1357.8 ; v1(2546,1077.8) 2600.5,1023.29 v1(2683.52,1023.29) ; R401.1 4680,1041.8 4708.5,1013.3 4840.49,1013.3 4852.2,1025 4854.94,1025 5129.94,1300 v1(5250,1300)
SDA: J400.2 J500.7 R400.1 U300.3 U301.J3-6 | length 8863.1
  Top Layer w25: U301.J3-6 838.24,1567.8 787.04,1516.59 633.7,1516.59 599.91,1482.79 599.91,1411.71 546,1357.8 546,1351.89 871.08,1026.81 1146.63,1026.81 1198.94,974.5 1222.44,951 2419.93,951 v1(2495.74,1026.81) ; v1(2649.16,976.57) 2651.23,976.57 2790,837.8 3400,837.8 3457.8,780 4307.8,780 4490,597.8 4740,597.8 4850,707.8 J400.2 4850,1027.8 R400.1 ; v1(5300,1350) 5306.76,1350 5323.76,1333 6783.67,1333 6933.67,1183 7412.34,1183 7429.34,1200 J500.7
  Bottom Layer w25: v1(2495.74,1026.81) 2545.38,977.18 ; 2554.76,977.8 2647.93,977.8 v1(2649.16,976.57) ; R400.1 4820,1182.97 4987.03,1350 v1(5300,1350)
SP: R410.1 U300.36 U301.J3-2 | length 2931.5
  Top Layer w25: U301.J3-2 547.52,1669.32 804.1,1669.32 821.43,1651.98 v1(1084.77,1651.98) ; v1(1671.14,1655.18) 2131.04,1655.18 2197.21,1589.01 2197.21,1510.91 2150,1463.7 U300.36 ; v1(2382.73,1653.58) 2563.58,1653.58 R410.1
  Bottom Layer w25: v1(1084.77,1651.98) 1086.37,1653.58 1669.55,1653.58 v1(1671.14,1655.18) ; U300.36@2146,1457.8 U300.36@2146,1463.7 ; U300.36 2150,1463.7 2339.88,1653.58 v1(2382.73,1653.58)
SW1: J403.4 R408.1 U301.J2-8 | length 5484.9
  Top Layer w25: U301.J2-8 1186,707.8 v1(1956,707.8) ; v1(2377.09,707.8) 3120,707.8 3263,564.8 5127,564.8 5300,737.8 5300,914.19 5405.81,1020 5800,1020 6008.5,1228.5 6008.5,1233.82 6020,1245.32 R408.1@6020,1250.66
  Bottom Layer w25: v1(1956,707.8) v1(2377.09,707.8)
SW2: J403.2 R409.1 U301.J2-9 | length 5356.4
  Top Layer w25: U301.J2-9 1236,657.8 v1(2020.62,657.8) ; v1(2366,627.8) 3140,627.8 3237.38,530.42 5442.62,530.42 5600,687.8 J403.2 5608.52,896.85 5631.67,920 5932.2,920 6020,1007.8 R409.1
  Bottom Layer w25: v1(2020.62,657.8) 2050.62,627.8 v1(2366,627.8)
pads on no net: U300. U300.8 U300.10 U300.11 U300.12 U300.15 U300.26 U300.28 U300.31 U300.32 U300.33 U300.35 U300.37 U300.38 U300.40 U301.J2-2 U301.J2-3 U301.J2-4 U301.J2-5 U301.J2-6 U301.J2-16 U301.J2-17 U301.J2-18 U301.J3-4 U301.J3-5 U301.J3-10 U301.J3-14 U301.J3-15 U301.J3-16 U301.J3-17 U301.J3-18 U301.J3-19

## Polygon pours and split planes (outlines as drawn)
GND on Bottom Layer "GND_L02_P000" (solid, pour order 0): 0,2510 8125,2510 8125,97.8 0,97.8

## Other copper
Top Layer:
  text "PCB RevB" at 5875,165.86 h90

## Silkscreen, mask and mechanical layers (free items; w line width, h text height)
Top Overlay:
  drawing of 17 lines, arcs and shapes, not listed
  text "JLCJLCJLCJLC" at 3640,4810 h30
  text "10A Fuse Max" at 6155,4525.9 h120
  text "HOT" at 8072.61,4225 h250 r90
  text "EARTH" at 8075,3525 h250 r90
  text "NEUT" at 8072.61,2925 h250 r90
  text "PWR" at 7945,1975 h120
  text "12V" at 7650,1275 h120
  text "SDA" at 7650,1175.9 h120
  text "SCL" at 7650,1075.9 h120
  text "ESP USB ->" at 1575,975.9 h120
  text "IO1" at 7650,975.9 h120
  text "Essential Power Bar" at 6170.97,965.86 h90
  text "Built By:" at 6169.18,890.75 h90
  text "IO2" at 7650,875.9 h120
  text "IO3" at 7650,775.9 h120
  text "Expansion" at 7505.15,725 h120 r90
  text "IO4" at 7650,675.9 h120
  text "GND" at 7650,575.9 h120
  text "© 2023 StackFoundry LLC" at 2909.25,555 h90 r90
  text "Open Hardware, CERN OHL-S 2.0" at 2990.11,552.8 h90 r90
  text "github.com/blueacro" at 3079.25,552.8 h90 r90
  text "ESP32" at 425,375.9 h120
  text "1W" at 3485,350 h120 r90
  text "5V" at 3649.1,350 h120 r90
  text "1W" at 4100,350 h120 r90
  text "5V" at 4249.1,350 h120 r90
  text "5V" at 4999.1,350 h120 r90
  text "GND" at 3324.1,300 h120 r90
  text "GND" at 3949.1,300 h120 r90
  text "GND" at 4549.1,300 h120 r90
  text "SCL" at 4699.1,300 h120 r90
  text "SDA" at 4849.1,300 h120 r90
  text "SW1" at 5324.1,300 h120 r90
  text "SW2" at 5674.1,300 h120 r90
  text "Pi Zero" at 1975,175.9 h120
  text "I2C" at 4625,100.9 h120
  text "Float" at 5350,101.15 h120
  text "PCB RevB" at 5875,100.86 h90
  text "Temp Sensors" at 3425,94.85 h120
Board:
  the board outline again, w10

## Text inside footprints (layer, text, board x,y; h text height)
SP400: Top Overlay "+" at 4643.74,1811.62 h120
U300: Top Overlay "1" at 362.13,1318.11 h78.74